# KiCad board Soldered Inkplate 6 FLICK_panel.kicad_pcb
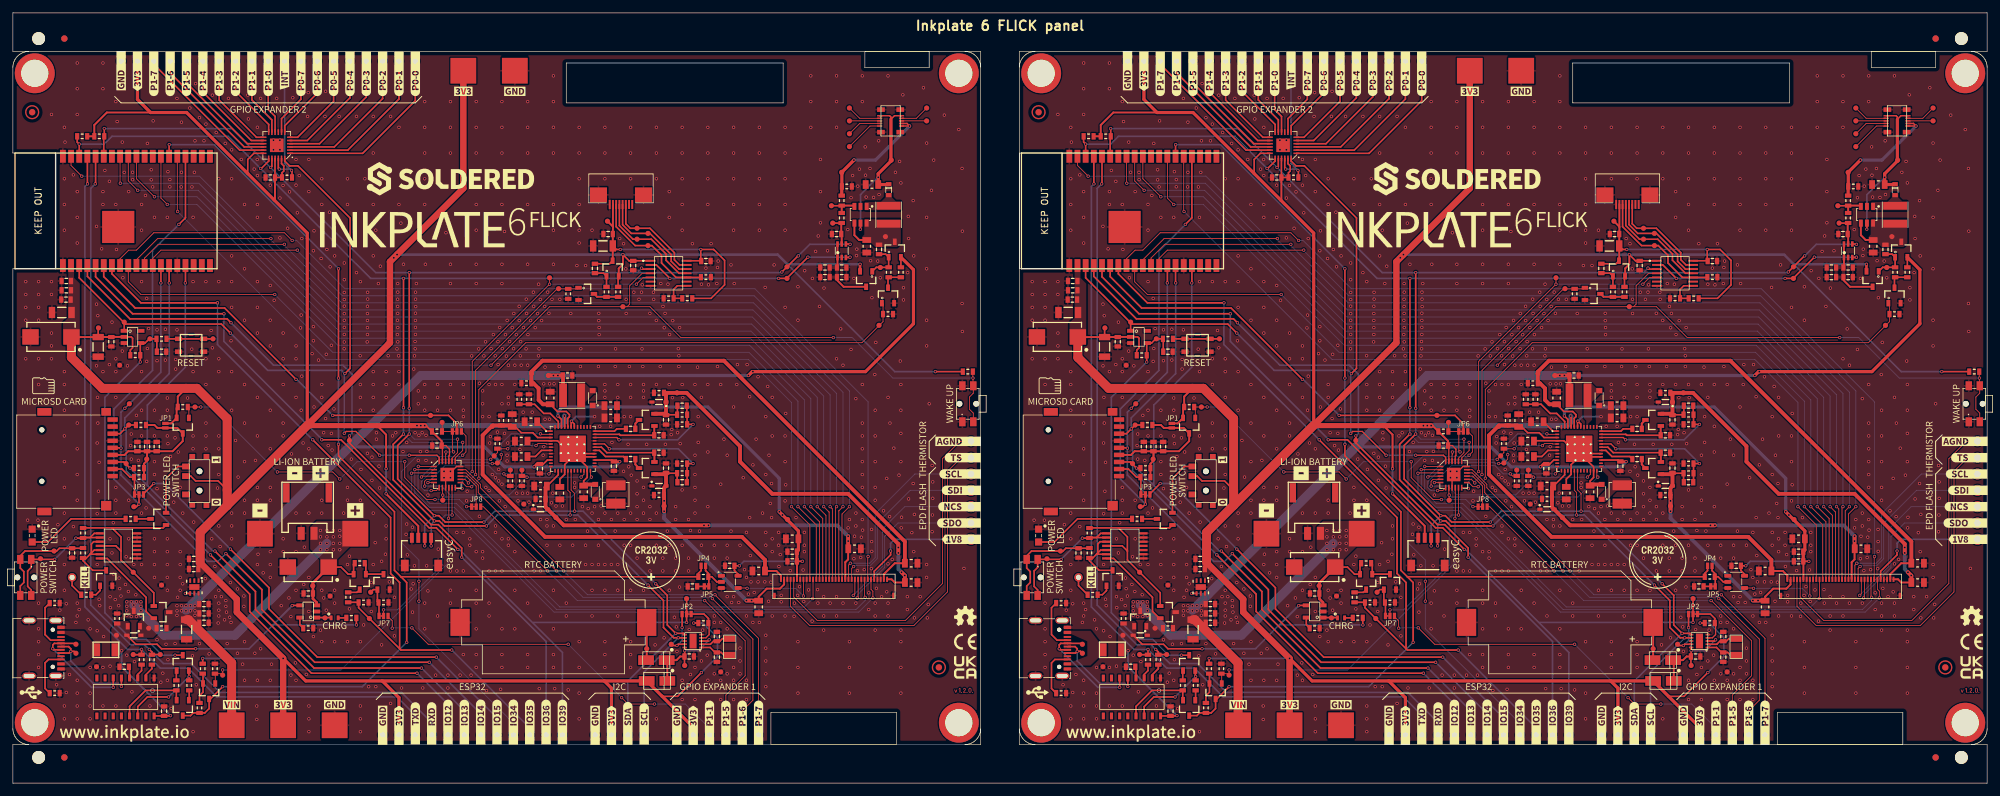
[diagram p0: board, top side]
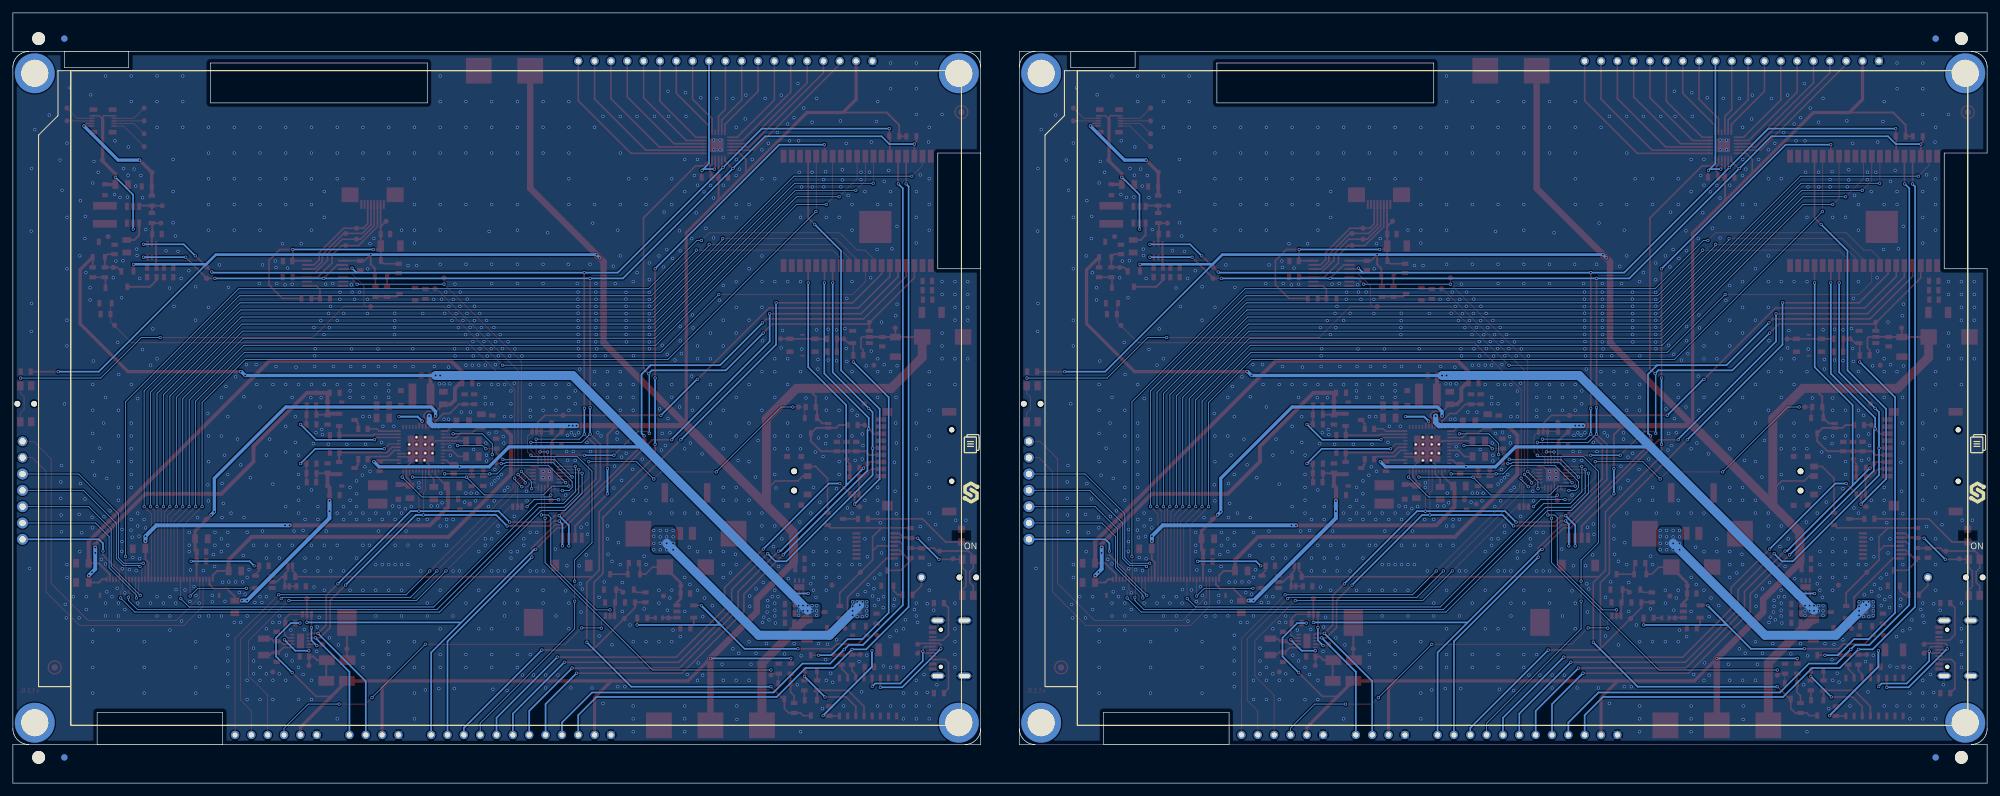
[diagram p1: board, bottom side, seen from below]

Outline 306.8 x 119.8 mm; copper layers: Top, Bottom. Coordinates in mm from the lower left corner of the outline.
Outline path: 2.46,113.8 0,113.8 0,119.8 306.8,119.8 306.8,113.8 304.34,113.8 ; 2.46,113.8 2.37,113.8 2.25,113.79 2.12,113.77 2,113.75 1.87,113.72 1.75,113.69 1.63,113.65 1.51,113.6 1.4,113.55 1.29,113.49 1.18,113.42 1.07,113.35 0.97,113.28 0.87,113.2 0.78,113.11 0.69,113.02 0.6,112.93 0.52,112.83 0.45,112.73 0.38,112.62 0.31,112.51 0.26,112.4 0.2,112.29 0.16,112.17 0.11,112.05 0.08,111.93 0.05,111.8 0.03,111.68 0.01,111.55 0,111.43 0,111.3 0,98 6.67,98 6.67,80 0,80 0,8.5 0,8.37 0.01,8.25 0.03,8.12 0.05,8 0.08,7.87 0.11,7.75 0.16,7.63 0.2,7.51 0.26,7.4 0.31,7.29 0.38,7.18 0.45,7.07 0.52,6.97 0.6,6.87 0.69,6.78 0.78,6.69 0.87,6.6 0.97,6.52 1.07,6.45 1.18,6.38 1.29,6.31 1.4,6.25 1.51,6.2 1.63,6.15 1.75,6.11 1.87,6.08 2,6.05 2.12,6.03 2.25,6.01 2.37,6 2.46,6 ; 2.46,113.8 150.4,113.8 150.4,111.38 ; 2.46,6 0,6 0,0 306.8,0 306.8,6 304.34,6 ; 2.46,6 147.94,6 ; 147.94,6 148.03,6 148.15,6.01 148.28,6.03 148.4,6.05 148.53,6.08 148.65,6.11 148.77,6.15 148.89,6.2 149,6.25 149.11,6.31 149.22,6.38 149.33,6.45 149.43,6.52 149.53,6.6 149.62,6.69 149.71,6.78 149.8,6.87 149.88,6.97 149.95,7.07 150.02,7.18 150.09,7.29 150.15,7.4 150.2,7.51 150.25,7.63 150.29,7.75 150.32,7.87 150.35,8 150.37,8.12 150.39,8.25 150.4,8.37 150.4,8.42 ; 147.94,6 150.4,6 150.4,8.42 ; 147.94,113.8 148.03,113.8 148.15,113.79 148.28,113.77 148.4,113.75 148.53,113.72 148.65,113.69 148.77,113.65 148.89,113.6 149,113.55 149.11,113.49 149.22,113.42 149.33,113.35 149.43,113.28 149.53,113.2 149.62,113.11 149.71,113.02 149.8,112.93 149.88,112.83 149.95,112.73 150.02,112.62 150.09,112.51 150.15,112.4 150.2,112.29 150.25,112.17 150.29,112.05 150.32,111.93 150.35,111.8 150.37,111.68 150.39,111.55 150.4,111.43 150.4,111.38 ; 150.4,8.42 150.4,111.38 ; 156.4,8.42 156.4,6 158.86,6 ; 156.4,8.42 156.4,111.38 ; 156.4,8.42 156.4,8.37 156.41,8.25 156.43,8.12 156.45,8 156.48,7.87 156.51,7.75 156.56,7.63 156.6,7.51 156.66,7.4 156.71,7.29 156.78,7.18 156.85,7.07 156.92,6.97 157,6.87 157.09,6.78 157.18,6.69 157.27,6.6 157.37,6.52 157.47,6.45 157.58,6.38 157.69,6.31 157.8,6.25 157.91,6.2 158.03,6.15 158.15,6.11 158.27,6.08 158.4,6.05 158.52,6.03 158.65,6.01 158.77,6 158.86,6 ; 156.4,111.38 156.4,113.8 304.34,113.8 ; 156.4,111.38 156.4,111.43 156.41,111.55 156.43,111.68 156.45,111.8 156.48,111.93 156.51,112.05 156.56,112.17 156.6,112.29 156.66,112.4 156.71,112.51 156.78,112.62 156.85,112.73 156.92,112.83 157,112.93 157.09,113.02 157.18,113.11 157.27,113.2 157.37,113.28 157.47,113.35 157.58,113.42 157.69,113.49 157.8,113.55 157.91,113.6 158.03,113.65 158.15,113.69 158.27,113.72 158.4,113.75 158.52,113.77 158.65,113.79 158.77,113.8 158.86,113.8 ; 158.86,6 304.34,6 ; 304.34,6 304.43,6 304.55,6.01 304.68,6.03 304.8,6.05 304.93,6.08 305.05,6.11 305.17,6.15 305.29,6.2 305.4,6.25 305.51,6.31 305.62,6.38 305.73,6.45 305.83,6.52 305.93,6.6 306.02,6.69 306.11,6.78 306.2,6.87 306.28,6.97 306.35,7.07 306.42,7.18 306.49,7.29 306.55,7.4 306.6,7.51 306.65,7.63 306.69,7.75 306.72,7.87 306.75,8 306.77,8.12 306.79,8.25 306.8,8.37 306.8,8.5 306.8,111.3 306.8,111.43 306.79,111.55 306.77,111.68 306.75,111.8 306.72,111.93 306.69,112.05 306.65,112.17 306.6,112.29 306.55,112.4 306.49,112.51 306.42,112.62 306.35,112.73 306.28,112.83 306.2,112.93 306.11,113.02 306.02,113.11 305.93,113.2 305.83,113.28 305.73,113.35 305.62,113.42 305.51,113.49 305.4,113.55 305.29,113.6 305.17,113.65 305.05,113.69 304.93,113.72 304.8,113.75 304.68,113.77 304.55,113.79 304.43,113.8 304.34,113.8 ; 86,112 119.7,112 119.7,105.8 86,105.8 86,112 ; 117.8,11 137.3,11 137.3,6 117.8,6 117.8,11 ; 132.4,113.8 142.4,113.8 142.4,111.3 132.4,111.3 132.4,113.8 ; 156.4,98 163.07,98 163.07,80 156.4,80 156.4,98 ; 242.4,112 276.1,112 276.1,105.8 242.4,105.8 242.4,112 ; 274.2,11 293.7,11 293.7,6 274.2,6 274.2,11 ; 288.8,113.8 298.8,113.8 298.8,111.3 288.8,111.3 288.8,113.8
Stack: Top 0.035mm / dielectric 1.51mm FR4 er 4.5 / Bottom 0.035mm

## Placement (name value [footprint] x y rotation side)
C1  4u7-TMK212AB7475KG-T  [0805C]  236.9 56.2 0 top
C1#2  4u7-TMK212AB7475KG-T  [0805C]  80.5 56.2 0 top
C2  4u7-TMK212AB7475KG-T  [0805C]  234 56.4 270 top
C2#2  4u7-TMK212AB7475KG-T  [0805C]  77.6 56.4 270 top
C3  4u7-TMK212AB7475KG-T  [0805C]  235.4 53.2 0 top
C3#2  4u7-TMK212AB7475KG-T  [0805C]  79 53.2 0 top
C4  4u7-TMK212AB7475KG-T  [0805C]  79 50.8 0 top
C4#2  4u7-TMK212AB7475KG-T  [0805C]  235.4 50.8 0 top
C5  10u-GRM188R61E106KA73J  [0603C]  81.9 48.9 90 top
C5#2  10u-GRM188R61E106KA73J  [0603C]  238.3 48.9 90 top
C6  4u7-TMK212AB7475KG-T  [0805C]  82 46.2 0 top
C6#2  4u7-TMK212AB7475KG-T  [0805C]  238.4 46.2 0 top
C7  4u7-TMK212AB7475KG-T  [0805C]  241.4 45.1 90 top
C7#2  4u7-TMK212AB7475KG-T  [0805C]  85 45.1 90 top
C8  10u-GRM188R61E106KA73J  [0603C]  249.8 49.3 90 top
C8#2  10u-GRM188R61E106KA73J  [0603C]  93.4 49.3 90 top
C9  4u7-TMK212AB7475KG-T  [0805C]  88.7 45.3 270 top
C9#2  4u7-TMK212AB7475KG-T  [0805C]  245.1 45.3 270 top
C10  10u-GRM188R61E106KA73J  [0603C]  86.2 63.4 180 top
C10#2  10u-GRM188R61E106KA73J  [0603C]  242.6 63.4 180 top
C11  4u7-TMK212AB7475KG-T  [0805C]  92.9 56.8 0 top
C11#2  4u7-TMK212AB7475KG-T  [0805C]  249.3 56.8 0 top
C12  4u7-TMK212AB7475KG-T  [0805C]  249.3 58.7 180 top
C12#2  4u7-TMK212AB7475KG-T  [0805C]  92.9 58.7 180 top
C13  4u7-TMK212AB7475KG-T  [0805C]  239.9 59.9 270 top
C13#2  4u7-TMK212AB7475KG-T  [0805C]  83.5 59.9 270 top
C14  2u2-GRM188R61E225MA12D  [0603C]  101.5 56.5 90 top
C14#2  2u2-GRM188R61E225MA12D  [0603C]  257.9 56.5 90 top
C15  2u2-GRM188R61E225MA12D  [0603C]  101.5 49 270 top
C15#2  2u2-GRM188R61E225MA12D  [0603C]  257.9 49 270 top
C16  100p  [0603C]  104 58.7 180 top
C16#2  100p  [0603C]  260.4 58.7 180 top
C17  100p  [0603C]  260.4 46.8 180 top
C17#2  100p  [0603C]  104 46.8 180 top
C18  10n-AC0603KRX7R8BB103  [0603C]  96 50.4 180 top
C18#2  10n-AC0603KRX7R8BB103  [0603C]  252.4 50.4 180 top
C19  10n-AC0603KRX7R8BB103  [0603C]  96 55.1 0 top
C19#2  10n-AC0603KRX7R8BB103  [0603C]  252.4 55.1 0 top
C20  100n-AC0603KRX7R8BB104  [0603C]  256.8 54.1 180 top
C20#2  100n-AC0603KRX7R8BB104  [0603C]  100.4 54.1 180 top
C21  100n-AC0603KRX7R8BB104  [0603C]  256.8 51.4 180 top
C21#2  100n-AC0603KRX7R8BB104  [0603C]  100.4 51.4 180 top
C22  100n  [0603C]  23.5 11.2 270 top
C22#2  100n  [0603C]  179.9 11.2 270 top
C23  100n  [0603C]  17.3 18.1 0 top
C23#2  100n  [0603C]  173.7 18.1 0 top
C24  10u  [1206C]  13.25 67.85 90 top
C24#2  10u  [1206C]  169.65 67.85 90 top
C25  100n  [0603C]  15.3 68.65 90 top
C25#2  100n  [0603C]  171.7 68.65 90 top
C26  2u2  [0603C]  179.5 67.1 180 top
C26#2  2u2  [0603C]  23.1 67.1 180 top
C27  10u  [1206C]  183.4 23.9 90 top
C27#2  10u  [1206C]  27 23.9 90 top
C28  2u2  [0603C]  186.1 24.94 180 top
C28#2  2u2  [0603C]  29.7 24.94 180 top
C29  100n  [0603C]  186.1 26.4 180 top
C29#2  100n  [0603C]  29.7 26.4 180 top
C30  100n  [0603C]  29.69 27.85 180 top
C30#2  100n  [0603C]  186.09 27.85 180 top
C31  100n  [0603C]  9.2 35.8 90 top
C31#2  100n  [0603C]  165.6 35.8 90 top
C32  DNP  [2917C]  45.9 33.6 180 top
C32#2  DNP  [2917C]  202.3 33.6 180 top
C33  2u2  [0603C]  45.9 29.5 0 top
C33#2  2u2  [0603C]  202.3 29.5 0 top
C34  100n  [0603C]  28.1 34.87 0 top
C34#2  100n  [0603C]  184.5 34.87 0 top
C35  2u2  [0603C]  184.5 33.3 0 top
C35#2  2u2  [0603C]  28.1 33.3 0 top
C36  12p  [0603C]  109.4 19.6 90 top
C36#2  12p  [0603C]  265.8 19.6 90 top
C37  12p  [0603C]  109.4 22.8 270 top
C37#2  12p  [0603C]  265.8 22.8 270 top
C38  2u2  [0603C]  22.35 52.35 270 top
C38#2  2u2  [0603C]  178.75 52.35 270 top
C39  100n  [0603C]  19.35 52.35 270 top
C39#2  100n  [0603C]  175.75 52.35 270 top
C40  100n  [0603C]  177.25 52.35 270 top
C40#2  100n  [0603C]  20.85 52.35 270 top
C41  100n  [0603C]  261.5 19.7 180 top
C41#2  100n  [0603C]  105.1 19.7 180 top
C42  100n  [0603C]  252.8 80.5 90 top
C42#2  100n  [0603C]  96.4 80.5 90 top
C43  100n  [0603C]  246.85 80.05 90 top
C43#2  100n  [0603C]  90.45 80.05 90 top
C44  10u  [1206C]  248.1 83.55 180 top
C44#2  10u  [1206C]  91.7 83.55 180 top
C45  100n  [0603C]  264.1 81.2 0 top
C45#2  100n  [0603C]  107.7 81.2 0 top
C46  4u7  [0603C]  282.6 78.7 180 top
C46#2  4u7  [0603C]  126.2 78.7 180 top
C47  1u  [0603C]  128.8 78.7 0 top
C47#2  1u  [0603C]  285.2 78.7 0 top
C48  100n  [0603C]  126.2 80.2 180 top
C48#2  100n  [0603C]  282.6 80.2 180 top
C49  100n  [0603C]  284.4 85.4 0 top
C49#2  100n  [0603C]  128 85.4 0 top
C50  100n  [0603C]  128.8 80.2 180 top
C50#2  100n  [0603C]  285.2 80.2 180 top
C51  CL21B105KBFNNNG  [0805C]  289.9 93.1 0 top
C51#2  CL21B105KBFNNNG  [0805C]  133.5 93.1 0 top
C52  100n  [0603C]  291 83 90 top
C52#2  100n  [0603C]  134.6 83 90 top
C53  100n  [0603C]  248.9 85.4 0 top
C53#2  100n  [0603C]  92.5 85.4 0 top
C54  CL21B105KBFNNNG  [0805C]  289.1 83.5 90 top
C54#2  CL21B105KBFNNNG  [0805C]  132.7 83.5 90 top
C55  4u7-TMK212AB7475KG-T  [0805C]  121.1 38 0 top
C55#2  4u7-TMK212AB7475KG-T  [0805C]  277.5 38 0 top
C56  4u7-TMK212AB7475KG-T  [0805C]  115.9 33 0 top
C56#2  4u7-TMK212AB7475KG-T  [0805C]  272.3 33 0 top
C57  4u7-TMK212AB7475KG-T  [0805C]  272.3 27.4 90 top
C57#2  4u7-TMK212AB7475KG-T  [0805C]  115.9 27.4 90 top
C58  4u7-TMK212AB7475KG-T  [0805C]  287.2 36.45 180 top
C58#2  4u7-TMK212AB7475KG-T  [0805C]  130.8 36.45 180 top
C59  4u7-TMK212AB7475KG-T  [0805C]  139.6 34.2 180 top
C59#2  4u7-TMK212AB7475KG-T  [0805C]  296 34.2 180 top
C60  4u7-TMK212AB7475KG-T  [0805C]  296 31.2 180 top
C60#2  4u7-TMK212AB7475KG-T  [0805C]  139.6 31.2 180 top
C61  100p  [0603C]  262 30.6 0 top
C61#2  100p  [0603C]  105.6 30.6 0 top
C62  100n  [0603C]  121.1 36 180 top
C62#2  100n  [0603C]  277.5 36 180 top
C63  100n  [0603C]  121.1 34.5 180 top
C63#2  100n  [0603C]  277.5 34.5 180 top
C64  100n  [0603C]  111.4 33.8 0 top
C64#2  100n  [0603C]  267.8 33.8 0 top
C65  100n  [0603C]  65.9 52.5 0 top
C65#2  100n  [0603C]  222.3 52.5 0 top
C66  10u  [1206C]  164 73.2 0 top
C66#2  10u  [1206C]  7.6 73.2 0 top
C67  2u2  [0603C]  164.65 75.2 0 top
C67#2  2u2  [0603C]  8.25 75.2 0 top
C68  100n  [0603C]  164.7 76.65 0 top
C68#2  100n  [0603C]  8.3 76.65 0 top
C69  100n  [0603C]  164.7 78.1 0 top
C69#2  100n  [0603C]  8.3 78.1 0 top
C70  DNP  [2917C]  5.92 69.4 180 top
C70#2  DNP  [2917C]  162.32 69.4 180 top
C71  100n  [0603C]  196.4 94.2 0 top
C71#2  100n  [0603C]  40 94.2 0 top
D1  CUS10F30,H3F  [SOD-323-2]  246.9 45.3 90 top
D1#2  CUS10F30,H3F  [SOD-323-2]  90.5 45.3 90 top
D2  BAT20J  [SOD-323]  256.8 59.27 180 top
D2#2  BAT20J  [SOD-323]  100.4 59.27 180 top
D3  BAT20J  [SOD-323]  238.4 42.6 0 top
D3#2  BAT20J  [SOD-323]  82 42.6 0 top
D4  CUS10F30,H3F  [SOD-323-2]  90.1 59.9 90 top
D4#2  CUS10F30,H3F  [SOD-323-2]  246.5 59.9 90 top
D5  BAT20J  [SOD-323]  256.8 46.23 0 top
D5#2  BAT20J  [SOD-323]  100.4 46.23 0 top
D6  BAT54S  [SOT-23-3]  98.5 49 180 top
D6#2  BAT54S  [SOT-23-3]  254.9 49 180 top
D7  BAT54S  [SOT-23-3]  98.5 56.5 180 top
D7#2  BAT54S  [SOT-23-3]  254.9 56.5 180 top
D8  0603LED_SIDE  [LTST-S270GKT]  159.4 38.5 90 top
D8#2  0603LED_SIDE  [LTST-S270GKT]  3 38.5 90 top
D9  BAT20J  [SOD-323#2]  18.8 23 0 top
D9#2  BAT20J  [SOD-323#2]  175.2 23 0 top
D10  RED  [0402LED]  50 25.7 180 top
D10#2  RED  [0402LED]  206.4 25.7 180 top
D11  -  [M4_DIODA]  256.5 15.9 0 top
D11#2  -  [M4_DIODA]  100.1 15.9 0 top
D12  -  [M4_DIODA]  256.4 19.13 0 top
D12#2  -  [M4_DIODA]  100 19.13 0 top
D13  RB510SM-40FHT2R  [SOD-523]  136.1 92.3 0 top
D13#2  RB510SM-40FHT2R  [SOD-523]  292.5 92.3 0 top
F1  1206FUSE-500mA  [1206FUSE]  170.86 20.73 180 top
F1#2  1206FUSE-500mA  [1206FUSE]  14.46 20.73 180 top
FD1  FIDUCIAL  [FIDUCIAL_23]  300.3 18 0 top
FD1#2  FIDUCIAL  [FIDUCIAL_23]  143.9 18 0 top
FD2  FIDUCIAL  [FIDUCIAL_23]  159.4 104.35 0 top
FD2#2  FIDUCIAL  [FIDUCIAL_23]  3 104.35 0 top
G***  LOGO  [Symbol-Front-USB]  2.8 14.1 270 top
G***#2  LOGO  [Symbol-Front-SDcard]  4.75 61.8 270 top
G***#3  LOGO  [Logo-Back-Soldered-3.5mm]  1.5 45.2 0 top
G***#4  LOGO  [Logo-Back-Soldered-3.5mm]  157.9 45.2 0 top
G***#5  LOGO  [Logo-Front-easyC-NewFont]  67.9 35.6 90 top
G***#6  LOGO  [Symbol-Front-SDcard]  161.15 61.8 270 top
G***#7  LOGO  [Logo-Front-OSH-3.5mm]  304.4 26 0 top
G***#8  LOGO  [Symbol-Front-USB]  159.2 14.1 270 top
G***#9  LOGO  [Logo-Front-OSH-3.5mm]  148 26 0 top
G***#10  LOGO  [Logo-Front-easyC-NewFont]  224.3 35.6 90 top
G***#11  LOGO  [Symbol-Front-EPD]  1.4 52.8 180 bottom
G***#12  LOGO  [Symbol-Front-EPD]  157.8 52.8 180 bottom
H1  -  [Standoff_M3]  159.8 9.4 0 top
H1#2  -  [Standoff_M3]  3.4 9.4 0 top
H2  -  [Standoff_M3]  303.4 9.4 0 top
H2#2  -  [Standoff_M3]  147 9.4 0 top
H3  -  [Standoff_M3]  303.4 110.4 0 top
H3#2  -  [Standoff_M3]  147 110.4 0 top
H4  -  [Standoff_M3]  3.4 110.4 0 top
H4#2  -  [Standoff_M3]  159.8 110.4 0 top
JP1  -  [SMD_JUMPER]  180.1 55.6 90 top
JP1#2  -  [SMD_JUMPER]  23.7 55.6 90 top
JP2  -  [SMD_JUMPER_3_PAD_CONNECTED_LEFT_TRACE]  176 44.9 0 top
JP2#2  -  [SMD_JUMPER_3_PAD_CONNECTED_LEFT_TRACE]  19.6 44.9 0 top
JP3  -  [SMD_JUMPER_3_PAD_CONNECTED_LEFT_TRACE]  104.7 26.3 180 top
JP3#2  -  [SMD_JUMPER_3_PAD_CONNECTED_LEFT_TRACE]  261.1 26.3 180 top
JP4  -  [SMD_JUMPER]  263.7 33.8 0 top
JP4#2  -  [SMD_JUMPER]  107.3 33.8 0 top
JP5  -  [SMD-JUMPER-CONNECTED_TRACE_SOLDERMASK]  264.2 30.6 0 top
JP5#2  -  [SMD-JUMPER-CONNECTED_TRACE_SOLDERMASK]  107.8 30.6 0 top
JP6  -  [SMD_JUMPER_3_PAD_CONNECTED_LEFT_TRACE]  69 54.7 0 top
JP6#2  -  [SMD_JUMPER_3_PAD_CONNECTED_LEFT_TRACE]  225.4 54.7 0 top
JP7  -  [SMD_JUMPER_3_PAD_CONNECTED_LEFT_TRACE]  228.4 43 0 top
JP7#2  -  [SMD_JUMPER_3_PAD_CONNECTED_LEFT_TRACE]  72 43 0 top
JP8  -  [SMD_JUMPER_3_PAD_CONNECTED_LEFT_TRACE]  214 26 0 top
JP8#2  -  [SMD_JUMPER_3_PAD_CONNECTED_LEFT_TRACE]  57.6 26 0 top
K1  -  [U262-161N-4BVC11]  159.4 21 90 top
K1#2  -  [U262-161N-4BVC11]  3 21 90 top
K2  easyC-SMD  [easyC-connector]  63.5 36 180 top
K2#2  easyC-SMD  [easyC-connector]  219.9 36 180 top
K3  -  [HEADER_MALE_1X1_Inkplate]  249.42 7.5 180 top
K3#2  -  [HEADER_MALE_1X1_Inkplate]  93.02 7.5 180 top
K4  -  [HEADER_MALE_1X1_Inkplate]  254.5 7.5 180 top
K4#2  -  [HEADER_MALE_1X1_Inkplate]  98.1 7.5 180 top
K5  -  [HEADER_MALE_1X1_Inkplate]  251.96 7.5 180 top
K5#2  -  [HEADER_MALE_1X1_Inkplate]  95.56 7.5 180 top
K6  -  [HEADER_MALE_1X1_Inkplate]  246.88 7.5 180 top
K6#2  -  [HEADER_MALE_1X1_Inkplate]  90.48 7.5 180 top
K7  -  [HEADER_MALE_1X1_Inkplate]  9.2 32 0 top
K7#2  -  [HEADER_MALE_1X1_Inkplate]  165.6 32 0 top
K8  -  [JST-2pin-SMD]  45.8 42 0 top
K8#2  -  [JST-2pin-SMD]  202.2 42 0 top
K9  -  [HYC77-TF09-200]  10 50 270 top
K9#2  -  [HYC77-TF09-200]  166.4 50 270 top
K10  CR2032_BS-6-1  [CR2032-BS-6-1]  240.4 25 0 top
K10#2  CR2032_BS-6-1  [CR2032-BS-6-1]  84 25 0 top
K11  -  [AXT310124]  292.8 103 90 top
K11#2  -  [AXT310124]  136.4 103 90 top
K12  -  [SFV8R-1STBE1HLF]  250.9 90 180 top
K12#2  -  [SFV8R-1STBE1HLF]  94.5 90 180 top
K13  -  [HEADER_MALE_2X1]  148.9 51.89 270 top
K13#2  -  [HEADER_MALE_2X1]  305.3 51.89 270 top
K14  -  [HEADER_MALE_5X1]  148.9 43 90 top
K14#2  -  [HEADER_MALE_5X1]  305.3 43 90 top
K15  -  [FH34SRJ-34S-0.5SH(50)]  127.6 31.7 0 top
K15#2  -  [FH34SRJ-34S-0.5SH(50)]  284 31.7 0 top
K16  -  [HEADER_MALE_1X1_Inkplate]  234.18 7.5 180 top
K16#2  -  [HEADER_MALE_1X1_Inkplate]  77.78 7.5 180 top
K17  -  [HEADER_MALE_1X1_Inkplate]  60 7.5 0 top
K17#2  -  [HEADER_MALE_1X1_Inkplate]  216.4 7.5 0 top
K18  -  [HEADER_MALE_1X1_Inkplate]  213.86 7.5 0 top
K18#2  -  [HEADER_MALE_1X1_Inkplate]  57.46 7.5 0 top
K19  -  [HEADER_MALE_1X1_Inkplate]  80.32 7.5 180 top
K19#2  -  [HEADER_MALE_1X1_Inkplate]  236.72 7.5 180 top
K20  -  [HEADER_MALE_1X1_Inkplate]  218.94 7.5 180 top
K20#2  -  [HEADER_MALE_1X1_Inkplate]  62.54 7.5 180 top
K21  -  [HEADER_MALE_1X1_Inkplate]  113.34 7.5 180 top
K21#2  -  [HEADER_MALE_1X1_Inkplate]  269.74 7.5 180 top
K22  -  [HEADER_MALE_1X1_Inkplate]  272.28 7.5 180 top
K22#2  -  [HEADER_MALE_1X1_Inkplate]  115.88 7.5 180 top
K23  -  [HEADER_MALE_1X1_Inkplate]  221.48 7.5 180 top
K23#2  -  [HEADER_MALE_1X1_Inkplate]  65.08 7.5 180 top
K24  -  [HEADER_MALE_1X1_Inkplate]  229.1 7.5 180 top
K24#2  -  [HEADER_MALE_1X1_Inkplate]  72.7 7.5 180 top
K25  -  [HEADER_MALE_1X1_Inkplate]  67.62 7.5 180 top
K25#2  -  [HEADER_MALE_1X1_Inkplate]  224.02 7.5 180 top
K26  -  [HEADER_MALE_1X1_Inkplate]  70.16 7.5 180 top
K26#2  -  [HEADER_MALE_1X1_Inkplate]  226.56 7.5 180 top
K27  -  [HEADER_MALE_1X1_Inkplate]  267.2 7.5 180 top
K27#2  -  [HEADER_MALE_1X1_Inkplate]  110.8 7.5 180 top
K28  -  [HEADER_MALE_1X1_Inkplate]  264.66 7.5 180 top
K28#2  -  [HEADER_MALE_1X1_Inkplate]  108.26 7.5 180 top
K29  -  [HEADER_MALE_1X1_Inkplate]  62.54 112.3 180 top
K29#2  -  [HEADER_MALE_1X1_Inkplate]  218.94 112.3 180 top
K30  -  [HEADER_MALE_1X1_Inkplate]  216.4 112.3 180 top
K30#2  -  [HEADER_MALE_1X1_Inkplate]  60 112.3 180 top
K31  -  [HEADER_MALE_1X1_Inkplate]  213.86 112.3 180 top
K31#2  -  [HEADER_MALE_1X1_Inkplate]  57.46 112.3 180 top
K32  -  [HEADER_MALE_1X1_Inkplate]  54.92 112.3 180 top
K32#2  -  [HEADER_MALE_1X1_Inkplate]  211.32 112.3 180 top
K33  -  [HEADER_MALE_1X1_Inkplate]  52.38 112.3 180 top
K33#2  -  [HEADER_MALE_1X1_Inkplate]  208.78 112.3 180 top
K34  -  [HEADER_MALE_1X1_Inkplate]  206.24 112.3 180 top
K34#2  -  [HEADER_MALE_1X1_Inkplate]  49.84 112.3 180 top
K35  -  [HEADER_MALE_1X1_Inkplate]  47.3 112.3 180 top
K35#2  -  [HEADER_MALE_1X1_Inkplate]  203.7 112.3 180 top
K36  -  [HEADER_MALE_1X1_Inkplate]  44.76 112.3 180 top
K36#2  -  [HEADER_MALE_1X1_Inkplate]  201.16 112.3 180 top
K37  -  [HEADER_MALE_1X1_Inkplate]  241.8 7.5 180 top
K37#2  -  [HEADER_MALE_1X1_Inkplate]  85.4 7.5 180 top
K38  -  [HEADER_MALE_1X1_Inkplate]  82.86 7.5 180 top
K38#2  -  [HEADER_MALE_1X1_Inkplate]  239.26 7.5 180 top
K39  -  [HEADER_MALE_1X1_Inkplate]  231.64 7.5 180 top
K39#2  -  [HEADER_MALE_1X1_Inkplate]  75.24 7.5 180 top
K40  -  [HEADER_MALE_1X1_Inkplate]  198.62 112.3 180 top
K40#2  -  [HEADER_MALE_1X1_Inkplate]  42.22 112.3 180 top
K41  -  [HEADER_MALE_1X1_Inkplate]  262.12 7.5 0 top
K41#2  -  [HEADER_MALE_1X1_Inkplate]  105.72 7.5 0 top
K42  -  [HEADER_MALE_1X1_Inkplate]  259.58 7.5 0 top
K42#2  -  [HEADER_MALE_1X1_Inkplate]  103.18 7.5 0 top
K43  -  [HEADER_MALE_1X1_Inkplate]  196.08 112.3 180 top
K43#2  -  [HEADER_MALE_1X1_Inkplate]  39.68 112.3 180 top
K44  -  [HEADER_MALE_1X1_Inkplate]  37.14 112.3 180 top
K44#2  -  [HEADER_MALE_1X1_Inkplate]  193.54 112.3 180 top
K45  -  [HEADER_MALE_1X1_Inkplate]  34.6 112.3 180 top
K45#2  -  [HEADER_MALE_1X1_Inkplate]  191 112.3 180 top
K46  -  [HEADER_MALE_1X1_Inkplate]  32.06 112.3 180 top
K46#2  -  [HEADER_MALE_1X1_Inkplate]  188.46 112.3 180 top
K47  -  [HEADER_MALE_1X1_Inkplate]  29.52 112.3 180 top
K47#2  -  [HEADER_MALE_1X1_Inkplate]  185.92 112.3 180 top
K48  -  [HEADER_MALE_1X1_Inkplate]  26.98 112.3 180 top
K48#2  -  [HEADER_MALE_1X1_Inkplate]  183.38 112.3 180 top
K49  -  [HEADER_MALE_1X1_Inkplate]  180.84 112.3 180 top
K49#2  -  [HEADER_MALE_1X1_Inkplate]  24.44 112.3 180 top
K50  -  [HEADER_MALE_1X1_Inkplate]  21.9 112.3 180 top
K50#2  -  [HEADER_MALE_1X1_Inkplate]  178.3 112.3 180 top
K51  -  [HEADER_MALE_1X1_Inkplate]  175.76 112.3 180 top
K51#2  -  [HEADER_MALE_1X1_Inkplate]  19.36 112.3 180 top
K52  -  [HEADER_MALE_1X1_Inkplate]  16.82 112.3 180 top
K52#2  -  [HEADER_MALE_1X1_Inkplate]  173.22 112.3 180 top
kibuzzard-63F89A8C  G***  [kibuzzard-63F89A8C]  145.6 59 90 top
kibuzzard-63F89A8C#2  G***  [kibuzzard-63F89A8C]  302 59 90 top
kibuzzard-63F89AAD  G***  [kibuzzard-63F89AAD]  240.4 34 0 top
kibuzzard-63F89AAD#2  G***  [kibuzzard-63F89AAD]  84 34 0 top
kibuzzard-63F89AC1  G***  [kibuzzard-63F89AC1]  234.4 107.6 0 top
kibuzzard-63F89AC1#2  G***  [kibuzzard-63F89AC1]  50 12.2 0 top
kibuzzard-63F89AC1#3  G***  [kibuzzard-63F89AC1]  78 107.6 0 top
kibuzzard-63F89AC1#4  G***  [kibuzzard-63F89AC1]  206.4 12.2 0 top
kibuzzard-63F89ACB  G***  [kibuzzard-63F89ACB]  226.4 107.6 0 top
kibuzzard-63F89ACB#2  G***  [kibuzzard-63F89ACB]  42 12.2 0 top
kibuzzard-63F89ACB#3  G***  [kibuzzard-63F89ACB]  198.4 12.2 0 top
kibuzzard-63F89ACB#4  G***  [kibuzzard-63F89ACB]  70 107.6 0 top
kibuzzard-63F89AD4  G***  [kibuzzard-63F89AD4]  34 12.2 0 top
kibuzzard-63F89AD4#2  G***  [kibuzzard-63F89AD4]  190.4 12.2 0 top
kibuzzard-63F89AE1  G***  [kibuzzard-63F89AE1]  50 24.5 0 top
kibuzzard-63F89AE1#2  G***  [kibuzzard-63F89AE1]  206.4 24.5 0 top
kibuzzard-63F89AEB  G***  [kibuzzard-63F89AEB]  202.2 50 0 top
kibuzzard-63F89AEB#2  G***  [kibuzzard-63F89AEB]  45.8 50 0 top
kibuzzard-63F89B38  G***  [kibuzzard-63F89B38]  188 43.7 90 top
kibuzzard-63F89B38#2  G***  [kibuzzard-63F89B38]  31.6 43.7 90 top
kibuzzard-63F89B49  G***  [kibuzzard-63F89B49]  31.6 50.3 90 top
kibuzzard-63F89B49#2  G***  [kibuzzard-63F89B49]  188 50.3 90 top
kibuzzard-63F89F9C  G***  [kibuzzard-63F89F9C]  209.6 42.4 0 top
kibuzzard-63F89F9C#2  G***  [kibuzzard-63F89F9C]  53.2 42.4 0 top
kibuzzard-63F89F95  G***  [kibuzzard-63F89F95]  47.8 48.2 0 top
kibuzzard-63F89F95#2  G***  [kibuzzard-63F89F95]  204.2 48.2 0 top
kibuzzard-63F89FA3  G***  [kibuzzard-63F89FA3]  43.8 48.2 0 top
kibuzzard-63F89FA3#2  G***  [kibuzzard-63F89FA3]  200.2 48.2 0 top
kibuzzard-63F89FAA  G***  [kibuzzard-63F89FAA]  38.4 42.4 0 top
kibuzzard-63F89FAA#2  G***  [kibuzzard-63F89FAA]  194.8 42.4 0 top
kibuzzard-63F89728  G***  [kibuzzard-63F89728]  167.6 32 90 top
kibuzzard-63F89728#2  G***  [kibuzzard-63F89728]  11.2 32 90 top
kibuzzard-63F89858  G***  [kibuzzard-63F89858]  71.43 15 0 top
kibuzzard-63F89858#2  G***  [kibuzzard-63F89858]  227.83 15 0 top
kibuzzard-65560DD7  G***  [kibuzzard-65560DD7]  158 36.9 180 bottom
kibuzzard-65560DD7#2  G***  [kibuzzard-65560DD7]  1.6 36.9 180 bottom
kibuzzard-65560E5E  G***  [kibuzzard-65560E5E]  176 46.1 0 top
kibuzzard-65560E5E#2  G***  [kibuzzard-65560E5E]  19.6 46.1 0 top
kibuzzard-65560E6D  G***  [kibuzzard-65560E6D]  23.7 56.8 0 top
kibuzzard-65560E6D#2  G***  [kibuzzard-65560E6D]  180.1 56.8 0 top
kibuzzard-65560EA2  G***  [kibuzzard-65560EA2]  57.6 24.9 0 top
kibuzzard-65560EA2#2  G***  [kibuzzard-65560EA2]  214 24.9 0 top
kibuzzard-65560EC9  G***  [kibuzzard-65560EC9]  72 44.2 0 top
kibuzzard-65560EC9#2  G***  [kibuzzard-65560EC9]  228.4 44.2 0 top
kibuzzard-65560F4D  G***  [kibuzzard-65560F4D]  225.4 55.9 0 top
kibuzzard-65560F4D#2  G***  [kibuzzard-65560F4D]  69 55.9 0 top
kibuzzard-65560F7C  G***  [kibuzzard-65560F7C]  107.3 35 0 top
kibuzzard-65560F7C#2  G***  [kibuzzard-65560F7C]  263.7 35 0 top
kibuzzard-65560FAB  G***  [kibuzzard-65560FAB]  107.8 29.4 0 top
kibuzzard-65560FAB#2  G***  [kibuzzard-65560FAB]  264.2 29.4 0 top
kibuzzard-65560FCB  G***  [kibuzzard-65560FCB]  104.7 27.5 0 top
kibuzzard-65560FCB#2  G***  [kibuzzard-65560FCB]  261.1 27.5 0 top
kibuzzard-65561A0E  G***  [kibuzzard-65561A0E]  113.34 9.4 90 top
kibuzzard-65561A0E#2  G***  [kibuzzard-65561A0E]  269.74 9.4 90 top
kibuzzard-65561A24  G***  [kibuzzard-65561A24]  115.88 9.4 90 top
kibuzzard-65561A24#2  G***  [kibuzzard-65561A24]  272.28 9.4 90 top
kibuzzard-65561A56  G***  [kibuzzard-65561A56]  21.9 110.3 90 top
kibuzzard-65561A56#2  G***  [kibuzzard-65561A56]  178.3 110.3 90 top
kibuzzard-65561A76  G***  [kibuzzard-65561A76]  201.16 110.3 90 top
kibuzzard-65561A76#2  G***  [kibuzzard-65561A76]  44.76 110.3 90 top
kibuzzard-65561A88  G***  [kibuzzard-65561A88]  47.3 110.3 90 top
kibuzzard-65561A88#2  G***  [kibuzzard-65561A88]  203.7 110.3 90 top
kibuzzard-65561AB2  G***  [kibuzzard-65561AB2]  180.84 110.3 90 top
kibuzzard-65561AB2#2  G***  [kibuzzard-65561AB2]  24.44 110.3 90 top
kibuzzard-65561ABA  G***  [kibuzzard-65561ABA]  183.38 110.3 90 top
kibuzzard-65561ABA#2  G***  [kibuzzard-65561ABA]  26.98 110.3 90 top
kibuzzard-65561AC2  G***  [kibuzzard-65561AC2]  185.92 110.3 90 top
kibuzzard-65561AC2#2  G***  [kibuzzard-65561AC2]  29.52 110.3 90 top
kibuzzard-65561ACC  G***  [kibuzzard-65561ACC]  188.46 110.3 90 top
kibuzzard-65561ACC#2  G***  [kibuzzard-65561ACC]  32.06 110.3 90 top
kibuzzard-65561AD5  G***  [kibuzzard-65561AD5]  34.6 110.3 90 top
kibuzzard-65561AD5#2  G***  [kibuzzard-65561AD5]  191 110.3 90 top
kibuzzard-65561AE0  G***  [kibuzzard-65561AE0]  37.14 110.3 90 top
kibuzzard-65561AE0#2  G***  [kibuzzard-65561AE0]  193.54 110.3 90 top
kibuzzard-65561AE8  G***  [kibuzzard-65561AE8]  39.68 110.3 90 top
kibuzzard-65561AE8#2  G***  [kibuzzard-65561AE8]  196.08 110.3 90 top
kibuzzard-65561AF6  G***  [kibuzzard-65561AF6]  206.24 110.3 90 top
kibuzzard-65561AF6#2  G***  [kibuzzard-65561AF6]  49.84 110.3 90 top
kibuzzard-65561B2D  G***  [kibuzzard-65561B2D]  213.86 110.3 90 top
kibuzzard-65561B2D#2  G***  [kibuzzard-65561B2D]  57.46 110.3 90 top
kibuzzard-65561B09  G***  [kibuzzard-65561B09]  52.38 110.3 90 top
kibuzzard-65561B09#2  G***  [kibuzzard-65561B09]  208.78 110.3 90 top
kibuzzard-65561B26  G***  [kibuzzard-65561B26]  211.32 110.3 90 top
kibuzzard-65561B26#2  G***  [kibuzzard-65561B26]  54.92 110.3 90 top
kibuzzard-65561B35  G***  [kibuzzard-65561B35]  60 110.3 90 top
kibuzzard-65561B35#2  G***  [kibuzzard-65561B35]  216.4 110.3 90 top
kibuzzard-65561B41  G***  [kibuzzard-65561B41]  62.54 110.3 90 top
kibuzzard-65561B41#2  G***  [kibuzzard-65561B41]  218.94 110.3 90 top
kibuzzard-65561B57  G***  [kibuzzard-65561B57]  198.62 110.8 90 top
kibuzzard-65561B57#2  G***  [kibuzzard-65561B57]  42.22 110.8 90 top
kibuzzard-65561DE5  G***  [kibuzzard-65561DE5]  303.6 48.08 0 top
kibuzzard-65561DE5#2  G***  [kibuzzard-65561DE5]  147.2 48.08 0 top
kibuzzard-65561DF9  G***  [kibuzzard-65561DF9]  147.4 45.54 0 top
kibuzzard-65561DF9#2  G***  [kibuzzard-65561DF9]  303.8 45.54 0 top
kibuzzard-65561E0C  G***  [kibuzzard-65561E0C]  147 40.46 0 top
kibuzzard-65561E0C#2  G***  [kibuzzard-65561E0C]  303.4 40.46 0 top
kibuzzard-65561E1E  G***  [kibuzzard-65561E1E]  147.4 37.92 0 top
kibuzzard-65561E1E#2  G***  [kibuzzard-65561E1E]  303.8 37.92 0 top